# Altium PCB (0)SAT62088M-V1.3 0410.PcbDoc (part 2 of 2)
Units mm, origin at the board's own origin, x right, y up, seen from the top; angles counter-clockwise.
Board outline 68.13 x 50.13 mm, 2 copper layers (Top Layer, Bottom Layer); 136 components, 78 nets, 419 pads, 399 vias.
Unrouted connection lines stored in the file: 95.
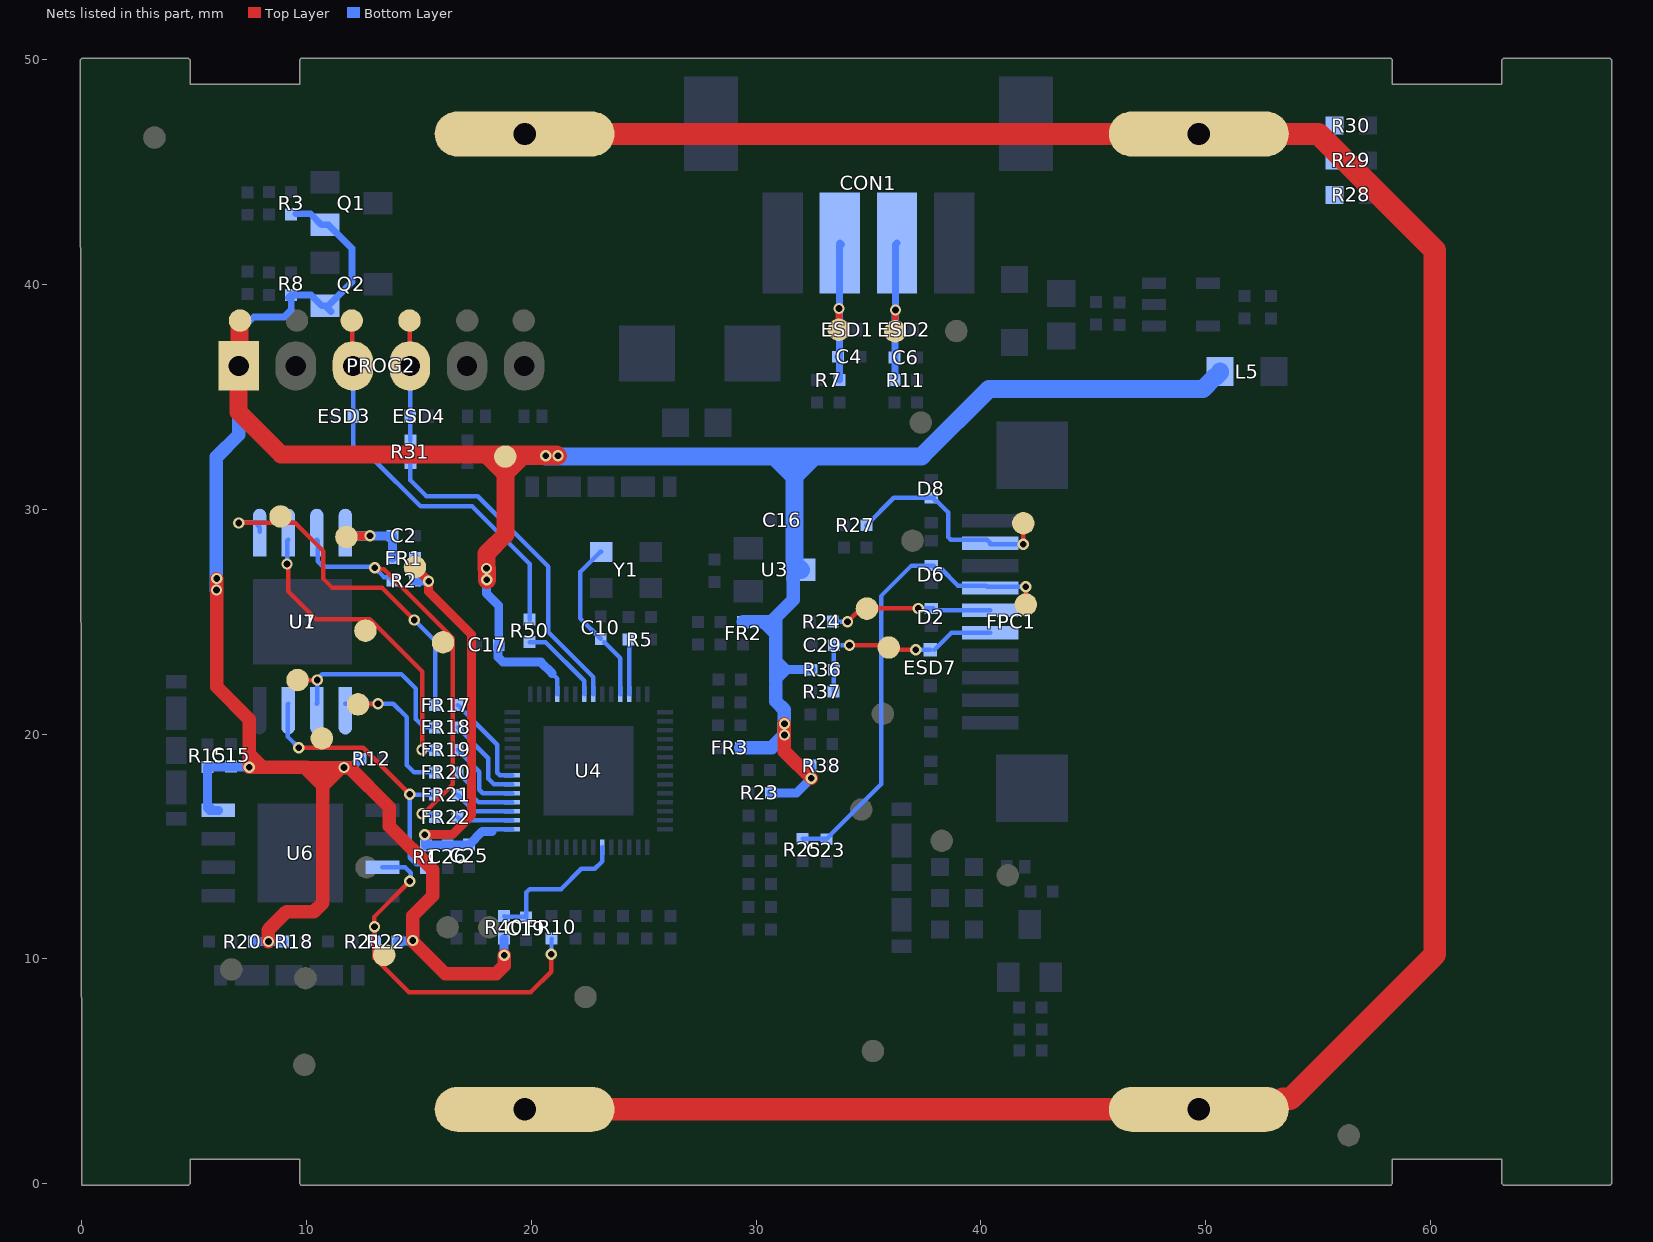
[diagram p2: the nets of this part, all layers, seen from the top]

## Via types
v1: diameter 0.5, hole 0.3, Top Layer to Bottom Layer, tented both sides, 390 vias
v2: diameter 0.6, hole 0.3, Top Layer to Bottom Layer, tented both sides, 9 vias

## Nets (pads, with @x,y where several pads share a name; then routed paths per layer and width w, separated by ;. In a path a pad name is that pad's centre, name@x,y a point inside that pad or via, vN(x,y) a via of type N, cw(c..) or ccw(c..) an arc to the next point about the centre after c; other vN are vias at no path point) (continued)
PM_SPI_WPZ: FR10.1 pad.19 R21.2 R22.1 U6.3 | length 16.8
  Top Layer w0.2: v1(13.02,11.423) 13.02,11.883 v1(14.59,13.453) ; v1@13.03,11.423 13.02,11.413 13.02,10.053 14.55,8.523 19.98,8.523 20.89,9.433 v1(20.89,10.203)
  Bottom Layer w0.2: v1(13.02,11.423) 13.036,11.408 13.036,10.785 R21.2@13.051,10.77 ; U6.3@13.374,14.067 14.392,14.067 14.629,13.83 14.629,13.492 v1(14.59,13.453) ; v1(20.89,10.203) 20.897,10.21 20.897,10.896 FR10.1@20.904,10.903
RESET: C29.1 ESD7.1 FPC1.6 pad.2@35.901,23.853 R36.1 R37.2 | length 9.3
  Top Layer w0.2: v1(34.16,23.953) 35.801,23.953 36.001,23.753 v1(37.1,23.753)
  Bottom Layer w0.2: R37.2@33.45,21.883 33.455,21.888 33.455,23.948 C29.1@33.46,23.953 v1(34.16,23.953) ; v1(37.1,23.753) 37.74,23.753 ESD7.1@37.75,23.743 ; ESD7.1@37.92,23.743 38.677,24.5 FPC1.6@40.415,24.5
RS: D8.1 FPC1.2 pad.2@41.89,29.38 R27.1 | length 9.9
  Top Layer w0.2: v1(41.89,28.45) pad.2@41.89,29.38
  Bottom Layer w0.2: R27.1@34.91,29.293 36.13,30.513 37.9,30.513 37.9,30.463 38,30.363 38.05,30.363 38.54,29.873 38.54,28.767 38.657,28.65 40.265,28.65 FPC1.2@40.415,28.5 ; FPC1.2@40.415,28.45 v1(41.89,28.45)
RTC-VCC: C19.1 R40.2 U4.20 | length 6.7
  Bottom Layer w0.2: R40.2@18.788,11.903 18.821,11.87 19.739,11.87 C19.1@19.772,11.838 19.772,12.955 19.92,13.103 21.32,13.103 22.22,14.003 22.82,14.003 23.151,14.335 U4.20@23.151,14.97
RXD0: ESD4.1 pad.25 PROG2.4 R31.1 | length 5.4
  Top Layer w0.2: pad.25@14.579,38.398 14.59,38.388 14.59,36.39 PROG2.4@14.6,36.38
  Bottom Layer w0.2: PROG2.4@14.6,36.38 14.61,36.37 14.61,33.07 R31.1@14.62,33.06
RXD0-1: R31.2 U4.50 | length 15
  Bottom Layer w0.2: R31.2@14.62,32.06 14.62,31.3 15.333,30.587 17.623,30.587 20.76,27.45 20.76,24.529 22.751,22.538 U4.50@22.751,21.77
S-GND: pad.0 R28.2 R29.2 R30.2 | length 117.3
  Top Layer w1: pad.0@19.685,46.685 pad.0@19.7,46.7 pad.0@49.7,46.7 55.02,46.7 60.2,41.52 60.2,10.2 53.768,3.768 53.438,3.768 52.971,3.3 pad.0@19.7,3.3
SCK: C23.1 D6.1 FPC1.4 pad.2@42,25.763 R25.1 | length 21.1
  Top Layer w0.2: pad.2@42,25.763 v1(42,26.553)
  Bottom Layer w0.2: R25.1@32.07,15.343 33.15,15.343 33.295,15.488 33.295,15.508 35.56,17.773 35.56,26.143 36.917,27.5 37.9,27.5 37.9,27.45 38,27.35 38.234,27.35 38.981,26.603 40.235,26.603 40.285,26.553 v1(42,26.553)
SDA: D2.1 FPC1.5 pad.2@34.93,25.583 R24.1 | length 7.4
  Top Layer w0.2: v1(34.07,25.003) 34.655,25.588 37.205,25.588 v1(37.21,25.593)
  Bottom Layer w0.2: R24.1@33.41,25.003 v1(34.07,25.003) ; v1(37.21,25.593) D2.1@37.89,25.593 ; D2.1@37.8,25.593 37.893,25.5 FPC1.5@40.415,25.5
SPI-CS0: FR20.1 pad.9 U1.1 U7.1 | length 7.4
  Top Layer w0.2: pad.9@12.29,21.323 12.305,21.338 13.165,21.338 v1(13.18,21.353)
  Bottom Layer w0.2: U7.1@11.724,21.349 11.728,21.353 v1(13.18,21.353) 13.86,21.353 14.455,20.758 14.455,18.624 14.78,18.299 FR20.1@15.72,18.299
SPI-MISO: FR18.1 pad.2@9.6,22.403 U1.2 U7.2 | length 9.1
  Top Layer w0.2: pad.2@9.6,22.403 v1(10.47,22.403)
  Bottom Layer w0.2: U7.2@10.454,21.349 10.47,21.365 v1(10.47,22.403) 10.47,22.433 10.7,22.663 14.22,22.663 14.855,22.028 14.855,20.668 15.229,20.294 FR18.1@15.72,20.294
SPI-MOSI: FR17.1 pad.2@8.84,29.683 U1.5 U7.5 | length 15.7
  Top Layer w0.2: v1(6.98,29.393) 9.49,29.393 10.75,28.133 10.75,26.903 11.15,26.503 13.36,26.503 v1(14.79,25.073)
  Bottom Layer w0.2: v1(6.98,29.393) 7.73,29.393 7.915,29.208 U1.5@7.915,29.003 ; v1(14.79,25.073) 15.72,24.143 FR17.1@15.72,21.292
SPI-SCK: FR19.1 pad.2@12.62,24.603 U1.6 U7.6 | length 13.8
  Top Layer w0.2: v1(9.13,27.573) 9.18,27.523 9.18,26.343 10.42,25.103 12.82,25.103 15.14,22.783 v1(15.14,19.303)
  Bottom Layer w0.2: v1(9.13,27.573) 9.13,28.595 U7.6@9.184,28.649 ; v1(15.14,19.303) 15.143,19.3 15.717,19.3 FR19.1@15.72,19.297
SPI-SIO2: FR21.1 pad.29 R1.1 U1.3 U7.3 | length 12.8
  Top Layer w0.2: v1(9.65,19.393) 12.52,19.393 v1(14.59,17.323)
  Bottom Layer w0.2: U7.3@9.184,21.349 9.17,21.335 9.17,19.873 v1(9.65,19.393) ; R1.1@15.31,14.043 15.145,14.208 14.875,14.208 14.59,14.493 v1(14.59,17.323) 14.601,17.312 15.709,17.312 FR21.1@15.72,17.301
SPI-SIO3: FR22.1 pad.7 R2.1 U1.7 U7.7 | length 18.5
  Top Layer w0.2: v1(13.032,27.397) 13.09,27.34 13.442,27.34 16.51,24.272 16.51,17.76 15.203,16.453 v1(15.14,16.453)
  Bottom Layer w0.2: U7.7@10.454,28.649 10.5,28.603 10.5,27.683 10.74,27.443 12.986,27.443 v1(13.032,27.397) ; v1@13.05,27.403 13.05,27.38 13.441,26.988 13.655,26.988 R2.1@13.82,26.823 ; v1(15.14,16.453) 15.197,16.396 15.627,16.396 FR22.1@15.72,16.303
SPI-V: C2.1 FR1.1 pad.30 U1.8 U7.8 | length 4.6
  Top Layer w0.4: pad.30@11.774,28.773 11.805,28.804 12.801,28.804 v1(12.82,28.823)
  Bottom Layer w0.4: U7.8@11.724,28.649 U7.8@11.724,28.723 ; U7.8@11.824,28.963 11.724,28.863 U7.8@11.724,28.723 ; FR1.1@13.82,27.833 13.825,27.838 13.825,28.818 C2.1@13.83,28.823 v1(12.82,28.823) 11.824,28.823 U7.8@11.724,28.723
SPICLK: FR19.2 U4.33 | length 3.7
  Bottom Layer w0.2: FR19.2@16.72,19.297 17.685,18.332 17.685,17.52 17.836,17.37 U4.33@19.151,17.37
SPICS0: FR20.2 U4.32 | length 3.2
  Bottom Layer w0.2: FR20.2@16.72,18.299 17.285,17.734 17.285,17.338 17.653,16.97 U4.32@19.151,16.97
SPID: FR17.2 U4.35 | length 4.5
  Bottom Layer w0.2: FR17.2@16.72,21.292 18.485,19.527 18.485,18.287 18.602,18.17 U4.35@19.151,18.17
SPIHD: FR22.2 U4.30 | length 2.5
  Bottom Layer w0.2: FR22.2@16.72,16.303 16.854,16.17 U4.30@19.151,16.17
SPIQ: FR18.2 U4.34 | length 4
  Bottom Layer w0.2: FR18.2@16.72,20.294 18.085,18.929 18.085,18.022 18.337,17.77 U4.34@19.151,17.77
SPIWP: FR21.2 U4.31 | length 2.7
  Bottom Layer w0.2: FR21.2@16.72,17.301 FR21.2@16.885,17.136 ; FR21.2@16.885,17.135 17.451,16.57 U4.31@19.151,16.57
TXD0: ESD3.1 pad.26@12.009,38.398 PROG2.3 R50.1 | length 18.3
  Top Layer w0.2: pad.26@12.009,38.398 12.035,38.373 12.035,36.405 PROG2.3@12.06,36.38
  Bottom Layer w0.2: PROG2.3@12.06,36.38 12.07,36.37 12.07,34.15 ESD3.1@12.08,34.14 12.08,32.42 12.27,32.23 12.973,32.23 15.073,30.13 17.37,30.13 19.92,27.58 R50.1@19.92,25.093
U0TXD: R50.2 U4.49 | length 3.7
  Bottom Layer w0.2: R50.2@19.92,24.093 20.63,24.093 22.351,22.372 U4.49@22.351,21.77
UR0-RX: C4.1 CON1.2 ESD1.1 pad.18 R7.1 | length 7.2
  Top Layer w0.3: pad.18@33.68,37.99 33.69,38 v1(33.69,38.94)
  Bottom Layer w0.3: C4.1@33.64,36.79 C4.1@33.645,36.785 ; CON1.2@33.7,41.82 CON1.2@33.71,41.83 ; R7.1@33.71,35.75 CON1.2@33.71,41.83 ; CON1.2@33.8,41.78 CON1.2@33.73,41.85 CON1.2@33.71,41.83
UR0-TX: C6.1 CON1.3 ESD2.2 pad.2@36.19,37.92 R11.2 | length 7
  Top Layer w0.3: pad.2@36.19,37.92 36.195,37.925 36.195,38.865 v1(36.2,38.87)
  Bottom Layer w0.3: R11.2@36.16,35.85 36.18,35.87 36.18,38.85 v1(36.2,38.87) 36.2,41.78 CON1.3@36.27,41.85
VDD3.3V: C15.1 C16.1 C17.1 FR2.1 FR3.1 L5.2 pad.27 pad.32 PROG2.1 Q1.1 Q2.1 R3.1 R8.1 R12.1 R15.1 R18.2 R20.2 R22.2 R23.2 R36.2 R38.2 R40.1 U3.3 U4.46 U6.8 | length 170.9
  Top Layer w0.4: v1(7.45,18.523) v1@7.455,18.518 ; v1@11.655,18.518 v1(11.66,18.513)
  Top Layer w0.6: v1(6,26.92) 6,22.103 7.45,20.653 7.45,19.118 ; v1(7.45,18.523) 7.45,19.118 ; v1@7.455,18.518 8.05,18.518 ; v1(8.301,10.77) 8.287,10.784 8.287,11.281 9.11,12.103 10.33,12.103 10.73,12.503 10.73,17.703 ; v1(14.72,10.813) 14.72,11.923 15.61,12.813 15.61,13.973 13.68,15.903 13.68,16.743 11.91,18.513 v1(11.66,18.513) v1@11.54,18.513 ; v1@14.77,10.736 16.173,9.333 18.43,9.333 18.8,9.703 v1(18.8,10.163) ; v1(31.26,20.46) v1(31.26,19.963) 31.26,19.223 v1(32.45,18.033) ; 7.45,19.118 8.05,18.518 ; 8.05,18.518 10,18.518 10,18.433 ; 10,18.433 10.73,17.703 ; 10,18.433 10.08,18.513 10.81,18.513 ; 10.73,17.703 10.73,18.433 10.81,18.513 ; 10.73,17.703 v1@11.54,18.513 ; 10.81,18.513 v1@11.54,18.513
  Top Layer w0.8: pad.27@7.04,38.4 7.01,38.37 7.01,36.41 PROG2.1@6.98,36.38 6.98,34.328 8.858,32.45 17.99,32.45 ; v1(18.01,27.373) 18.01,28.04 18.84,28.87 18.84,31.6 ; v1(18.02,26.863) v1@18.02,27.373 ; 19.755,32.45 19.69,32.45 ; 17.99,32.45 19.69,32.45 ; 17.99,32.45 18.84,31.6 ; 18.84,31.6 pad.32@18.84,32.35 18.87,32.38 19.62,32.38 ; 18.84,31.6 19.62,32.38 ; 19.62,32.38 v1(20.64,32.38) v1(21.19,32.38) 21.12,32.45 19.69,32.45 ; 19.62,32.38 19.69,32.45
  Bottom Layer w0.2: 20.92,22.703 21.151,22.472 U4.46@21.151,21.77
  Bottom Layer w0.3: PROG2.1@6.98,36.38 6.98,37.89 7.65,38.56 9,38.56 9.313,38.873 R8.1@9.313,39.534 ; R8.1@9.198,39.419 R8.1@9.313,39.534 ; R3.1@9.535,43.15 10.183,43.15 10.673,42.66 Q1.1@10.823,42.66 10.973,42.66 12.02,41.613 12.02,40.111 10.973,39.064 Q2.1@10.823,39.064 ; Q2.1@11.086,38.8 Q2.1@10.823,39.064 ; R8.1@9.313,39.534 10.203,39.534 10.673,39.064 Q2.1@10.823,39.064
  Bottom Layer w0.4: U6.8@5.72,16.707 U6.8@5.82,16.607 ; U6.8@6.074,16.607 U6.8@5.82,16.607 ; v1(7.45,18.523) 7.44,18.533 5.61,18.533 R15.1@5.6,18.543 5.6,16.707 5.7,16.607 U6.8@5.82,16.607 ; R20.2@7.651,10.77 v1(8.301,10.77) R18.2@8.951,10.77 ; v1(11.66,18.513) 11.679,18.532 12.019,18.532 R12.1@12.39,18.903 ; R22.2@14.051,10.77 14.076,10.794 14.701,10.794 v1(14.72,10.813) ; v1(18.01,27.373) 18.01,26.253 18.55,25.713 C17.1@18.55,24.013 ; v1@18.02,26.836 v1(18.02,26.863) ; C17.1@18.615,23.908 C17.1@18.55,23.973 C17.1@18.55,24.013 ; R40.1@18.788,10.903 18.794,10.897 18.794,10.169 v1(18.8,10.163) ; 20.92,22.703 20.42,23.203 18.744,23.203 18.51,23.438 18.51,23.973 C17.1@18.55,24.013 ; R23.2@30.654,17.389 31.805,17.389 v1@32.431,18.014 ; 30.87,22.168 30.87,22.343 31.39,22.863 ; 30.87,23.383 31.39,22.863 ; 30.88,22.863 31.39,22.863 ; R38.2@32.424,18.595 32.437,18.582 32.437,18.046 v1(32.45,18.033) ; R36.2@32.47,22.863 31.39,22.863
  Bottom Layer w0.6: v1(5.99,26.41) 5.99,32.33 6.98,33.32 PROG2.1@6.98,36.38 ; FR3.1@29.32,19.39 30.687,19.39 v1(31.26,19.963) v1(31.26,20.46) 31.26,21.073 30.87,21.463 30.87,22.168 ; FR2.1@29.42,24.993 30.34,24.993 ; 30.87,22.343 30.87,22.873 ; 30.88,22.863 30.87,22.873 ; U3.3@31.851,27.31 31.651,27.11 31.651,25.977 30.87,25.195 ; 30.34,24.993 30.87,24.463 ; 30.34,24.993 30.668,24.993 30.87,25.195 ; 30.87,22.873 30.87,23.383 30.87,24.463 ; 30.87,24.463 30.87,25.195
  Bottom Layer w0.8: v1@20.64,32.36 21.19,32.36 30.8,32.36 ; 31.7,32.28 31.7,31.46 ; U3.3@31.91,27.401 U3.3@32.001,27.31 31.851,27.31 31.751,27.41 31.751,27.56 31.7,27.611 31.7,31.46 ; 37.36,32.36 32.6,32.36 ; 37.417,32.417 40.36,35.36 49.88,35.36 50.4,35.88 50.45,35.88 50.65,36.08 L5.2@50.65,36.13 ; 30.8,32.36 31.7,31.46 ; 30.8,32.36 32.6,32.36 ; 31.7,31.46 32.6,32.36
VDD-SPI: C25.1 C26.1 FR1.2 pad.15 R1.2 R2.2 U4.29 | length 20.7
  Top Layer w0.4: pad.15@14.82,27.433 14.82,27.413 v1(15.43,26.803) 15.43,26.337 17.34,24.427 17.34,16.39 16.474,15.523 v1(15.262,15.523)
  Bottom Layer w0.2: 18.316,15.77 U4.29@19.151,15.77
  Bottom Layer w0.4: FR1.2@14.82,27.833 R2.2@14.82,26.823 14.83,26.813 15.42,26.813 v1(15.43,26.803) ; v1(15.262,15.523) 15.262,15.496 15.281,15.477 15.281,15.072 R1.2@15.31,15.043 15.33,15.063 16.28,15.063 17.21,15.063 C25.1@17.23,15.083 17.816,15.67 18.259,15.67
XTALN: C10.1 U4.53 Y1.1 | length 7.3
  Bottom Layer w0.2: C10.1@23.089,24.237 22.18,25.145 22.18,27.213 23.07,28.103 Y1.1@23.12,28.103 ; C10.1@23.243,24.09 23.243,24.083 23.254,24.072 23.261,24.072 23.951,23.382 U4.53@23.951,21.77
XTALP: R5.1 U4.54 | length 2.2
  Bottom Layer w0.2: U4.54@24.351,21.77 24.351,23.934
pads on no net: Mark3. Mark6. MARK14. MARK14_1. U4.6 U4.13 U4.21 U4.22 U4.23 U4.26 U4.27 U4.28 U4.36 U4.37 U4.38 U4.39 U4.40 U4.41 U4.42 U4.43 U4.44 U4.45 U4.47 U4.48 U4.51 U4.52 U5.4

## Polygon pours and split planes (outlines as drawn)
GND on Bottom Layer "GND_L02_P000" (solid, remove dead copper, pour order 0): 0,-0.064 4.75,-0.064 4.814,0 4.814,1.086 9.686,1.086 9.686,0 9.75,-0.064 58.25,-0.064 58.314,0 58.314,1.086 63.186,1.086 63.186,0 63.25,-0.064 68,-0.064 68.064,0 68.064,13.1 68,13.164 63.5,13.164 63.5,41.196 68,41.196 68.064,41.26 68.064,50 68,50.064 63.25,50.064 63.186,50 63.186,48.914 58.314,48.914 58.314,50 58.25,50.064 9.75,50.064 9.686,50 9.686,48.914 4.814,48.914 4.814,50 4.75,50.064 0,50.064 -0.064,50
GND on Top Layer "GND_L01_P001" (solid, remove dead copper, pour order 1): 0,-0.064 4.75,-0.064 4.814,0 4.814,1.086 9.686,1.086 9.686,0 9.75,-0.064 58.25,-0.064 58.314,0 58.314,1.086 63.186,1.086 63.186,0 63.25,-0.064 68,-0.064 68.064,0 68.064,13.1 68,13.164 63.59,13.164 63.59,41.196 68,41.196 68.064,41.26 68.064,50 68,50.064 63.25,50.064 63.186,50 63.186,48.914 58.314,48.914 58.314,50 58.25,50.064 9.75,50.064 9.686,50 9.686,48.914 4.814,48.914 4.814,50 4.75,50.064 0,50.064 -0.064,50

## Keep-outs
Keep-Out Layer:
  circle w0.1: c-2.69,176.17 r1
  circle w0.1: c-2.7,10.53 r1
  circle w0.1: c138.49,176.14 r1
  circle w0.1: c138.5,10.5 r1
  circle w0.127: c4.25,193 r0.6
  circle w0.127: c2.05,175 r1
  circle w0.127: c4.25,157 r0.6
  circle w0.127: c65.15,157 r0.6
  circle w0.127: c66,152 r1
  circle w0.127: c66,198 r1
  circle w0.127: c65.15,193 r0.6
  circle w0.127: c65.15,157 r0.6
  circle w0.127: c65.15,193 r0.6
  circle w0.127: c4.25,193 r0.6
  circle w0.127: c4.25,157 r0.6
  circle w0.127: c72.25,157 r0.6
  circle w0.127: c72.25,193 r0.6
  circle w0.127: c133.15,193 r0.6
  circle w0.127: c133.15,157 r0.6
  circle w0.127: c133.15,193 r0.6
  circle w0.127: c134,198 r1
  circle w0.127: c134,152 r1
  circle w0.127: c133.15,157 r0.6
  circle w0.127: c72.25,157 r0.6
  circle w0.127: c70.05,175 r1
  circle w0.127: c72.25,193 r0.6
  circle w0.127: c72.25,7 r0.6
  circle w0.127: c72.25,43 r0.6
  circle w0.127: c133.15,43 r0.6
  circle w0.127: c133.15,7 r0.6
  circle w0.127: c133.15,43 r0.6
  circle w0.127: c134,48 r1
  circle w0.127: c134,2 r1
  circle w0.127: c133.15,7 r0.6
  circle w0.127: c72.25,7 r0.6
  circle w0.127: c70.05,25 r1
  circle w0.127: c72.25,43 r0.6
  circle w0.127: c72.25,93 r0.6
  circle w0.127: c70.05,75 r1
  circle w0.127: c72.25,57 r0.6
  circle w0.127: c133.15,57 r0.6
  circle w0.127: c134,52 r1
  circle w0.127: c134,98 r1
  circle w0.127: c133.15,93 r0.6
  circle w0.127: c133.15,57 r0.6
  circle w0.127: c133.15,93 r0.6
  circle w0.127: c72.25,93 r0.6
  circle w0.127: c72.25,57 r0.6
  circle w0.127: c72.25,143 r0.6
  circle w0.127: c70.05,125 r1
  circle w0.127: c72.25,107 r0.6
  circle w0.127: c133.15,107 r0.6
  circle w0.127: c134,102 r1
  circle w0.127: c134,148 r1
  circle w0.127: c133.15,143 r0.6
  circle w0.127: c133.15,107 r0.6
  circle w0.127: c133.15,143 r0.6
  circle w0.127: c72.25,143 r0.6
  circle w0.127: c72.25,107 r0.6
  circle w0.127: c4.25,107 r0.6
  circle w0.127: c4.25,143 r0.6
  circle w0.127: c65.15,143 r0.6
  circle w0.127: c65.15,107 r0.6
  circle w0.127: c65.15,143 r0.6
  circle w0.127: c66,148 r1
  circle w0.127: c66,102 r1
  circle w0.127: c65.15,107 r0.6
  circle w0.127: c4.25,107 r0.6
  circle w0.127: c2.05,125 r1
  circle w0.127: c4.25,143 r0.6
  circle w0.127: c4.25,57 r0.6
  circle w0.127: c4.25,93 r0.6
  circle w0.127: c65.15,93 r0.6
  circle w0.127: c65.15,57 r0.6
  circle w0.127: c65.15,93 r0.6
  circle w0.127: c66,98 r1
  circle w0.127: c66,52 r1
  circle w0.127: c65.15,57 r0.6
  circle w0.127: c4.25,57 r0.6
  circle w0.127: c2.05,75 r1
  circle w0.127: c4.25,93 r0.6
  circle w0.127: c4.25,43 r0.6
  circle w0.127: c2.05,25 r1
  circle w0.127: c65.15,7 r0.6
  circle w0.127: c66,2 r1
  circle w0.127: c66,48 r1
  circle w0.127: c65.15,43 r0.6
  circle w0.127: c65.15,7 r0.6
  circle w0.127: c65.15,43 r0.6
  circle w0.127: c4.25,43 r0.6
  circle w0.127: c3.57,7.103 r0.6
  circle w0.127: c3.57,7.103 r0.6
  pour cut-out: 64.25,48 ccw(c66,48) 66,46.25 ccw(c66,48) 67.75,48 ccw(c66,48) 66,49.75 ccw(c66,48)
  pour cut-out: 64.25,2 cw(c66,2) 66,3.75 cw(c66,2) 67.75,2 cw(c66,2) 66,0.25 cw(c66,2)
  pour cut-out: 0.3,25 ccw(c2.05,25) 2.05,23.25 ccw(c2.05,25) 3.8,25 ccw(c2.05,25) 2.05,26.75 ccw(c2.05,25)
  lines w0.127: -0.2,0.03 -5.2,0.03 -5.2,200.03 -0.2,200.03 ; 68,9.746 68,0 ; 68,59.746 68,50 ; 68,63.1 68,50 ; 68,91.26 68,100 ; 68,109.746 68,100 ; 68,113.1 68,100 ; 68,141.26 68,150 ; 68,159.746 68,150 ; 68,163.1 68,150 ; 68,191.26 68,200 ; 136,9.746 136,0 ; 136,13.1 136,0 ; 136,41.26 136,50 ; 136,59.746 136,50 ; 136,63.1 136,50 ; 136,91.26 136,100 ; 136,109.746 136,100 ; 136,113.1 136,100 ; 136,141.26 136,150 ; 136,159.746 136,150 ; 136,163.1 136,150 ; 136,191.26 136,200 ; 0,50 0,100 ; 0,50 4.75,50 ; 0,50 0,0 4.75,0 4.75,1.15 9.75,1.15 9.75,0 58.25,0 58.25,1.15 63.25,1.15 63.25,0 68,0 ; 0,50 4.75,50 ; 0,100 0,150 ; 0,100 4.75,100 ; 0,100 4.75,100 ; 0,150 4.75,150 ; 0,150 4.75,150 ; 0,150 0,200 4.75,200 4.75,198.85 9.75,198.85 9.75,200 58.25,200 58.25,198.85 63.25,198.85 63.25,200 68,200 ; 0,150 4.75,150 ; 4.75,50 4.75,51.15 9.75,51.15 9.75,50 ; 4.75,50 4.75,48.85 9.75,48.85 9.75,50 ; 4.75,100 4.75,101.15 9.75,101.15 9.75,100 ; 4.75,100 4.75,98.85 9.75,98.85 9.75,100 ; 4.75,150 4.75,151.15 9.75,151.15 9.75,150 ; 4.75,150 4.75,148.85 9.75,148.85 9.75,150 ; 9.75,50 58.25,50 ; 9.75,50 58.25,50 ; 9.75,100 58.25,100 ; 9.75,100 58.25,100 ; 9.75,150 58.25,150 ; 9.75,150 58.25,150 ; 9.75,150 58.25,150 ; 58.25,50 58.25,51.15 63.25,51.15 63.25,50 ; 58.25,50 58.25,48.85 63.25,48.85 63.25,50 ; 58.25,100 58.25,101.15 63.25,101.15 63.25,100 ; 58.25,100 58.25,98.85 63.25,98.85 63.25,100 ; 58.25,150 58.25,151.15 63.25,151.15 63.25,150 ; 58.25,150 58.25,148.85 63.25,148.85 63.25,150 ; 63.25,50 68,50 ; 63.25,50 68,50 ; 63.25,100 68,100 ; 63.25,100 68,100 ; 63.25,150 68,150 ; 63.25,150 68,150 ; 63.25,150 68,150 ; 68,0 68,50 ; 68,0 72.75,0 72.75,1.15 77.75,1.15 77.75,0 126.25,0 126.25,1.15 131.25,1.15 131.25,0 136,0 ; 68,0 68,13.1 68,41.26 68,50 ; 68,50 72.75,50 ; 68,50 72.75,50 ; 68,50 68,100 ; 68,100 72.75,100 ; 68,100 72.75,100 ; 68,100 68,150 ; 68,150 68,200 ; 68,150 72.75,150 ; 68,150 72.75,150 ; 68,150 72.75,150 ; 68,200 72.75,200 72.75,198.85 77.75,198.85 77.75,200 126.25,200 126.25,198.85 131.25,198.85 131.25,200 136,200 ; 72.75,50 72.75,48.85 77.75,48.85 77.75,50 ; 72.75,50 72.75,51.15 77.75,51.15 77.75,50 ; 72.75,100 72.75,98.85 77.75,98.85 77.75,100 ; 72.75,100 72.75,101.15 77.75,101.15 77.75,100 ; 72.75,150 72.75,151.15 77.75,151.15 77.75,150 ; 72.75,150 72.75,148.85 77.75,148.85 77.75,150 ; 77.75,50 126.25,50 ; 77.75,50 126.25,50 ; 77.75,100 126.25,100 ; 77.75,100 126.25,100 ; 77.75,150 126.25,150 ; 77.75,150 126.25,150 ; 77.75,150 126.25,150 ; 126.25,50 126.25,48.85 131.25,48.85 131.25,50 ; 126.25,50 126.25,51.15 131.25,51.15 131.25,50 ; 126.25,100 126.25,98.85 131.25,98.85 131.25,100 ; 126.25,100 126.25,101.15 131.25,101.15 131.25,100 ; 126.25,150 126.25,151.15 131.25,151.15 131.25,150 ; 126.25,150 126.25,148.85 131.25,148.85 131.25,150 ; 131.25,50 136,50 ; 131.25,50 136,50 ; 131.25,100 136,100 ; 131.25,100 136,100 ; 131.25,150 136,150 ; 131.25,150 136,150 ; 131.25,150 136,150 ; 136,0 136,200 ; 136,0 141,0 141,200 136,200 ; 63.5,13.1 63.5,41.26 66,41.26 66,13.1 63.5,13.1 ; 63.5,63.1 66,63.1 66,91.26 63.5,91.26 63.5,63.1 ; 63.5,113.1 66,113.1 66,141.26 63.5,141.26 63.5,113.1 ; 63.5,163.1 66,163.1 66,191.26 63.5,191.26 63.5,163.1 ; 131.5,13.1 134,13.1 134,41.26 131.5,41.26 131.5,13.1 ; 131.5,63.1 134,63.1 134,91.26 131.5,91.26 131.5,63.1 ; 131.5,113.1 134,113.1 134,141.26 131.5,141.26 131.5,113.1 ; 131.5,163.1 134,163.1 134,191.26 131.5,191.26 131.5,163.1

## Other copper
Top Layer:
  pour cut-out: 7.88,37.86 7.88,35.06 18.924,35.06 19.064,35.2 19.064,37.536 18.72,37.88
Bottom Layer:
  region net S-GND: 23.861,6.684 15.481,6.684 15.481,2.126 23.861,2.126
  region net S-GND: 53.861,6.684 45.481,6.684 45.481,2.126 53.861,2.126
  rectangle net S-GND: 45.5,43.316 56.18,47.874
  rectangle net S-GND: 15.539,43.316 23.919,47.874
  pour cut-out: 35.27,44.3 35.27,39.4 32.39,39.4 32.29,39.3 32.29,44.4
  pour cut-out: 42.551,35.177 40.943,36.785 40.943,39.552 42.191,39.552 42.237,39.598
  pour cut-out: 7.96,37.72 7.96,34.92 19.004,34.92 19.144,35.06 19.144,37.396 18.8,37.74
  pour cut-out: 45.5,48.383 45.5,49.63 46.91,49.63 46.92,49.64 46.92,48.39 46.91,48.38
  pour cut-out: 52.115,35.155 51.515,35.155 51.515,37.055 52.075,37.055 52.085,37.065
  pour cut-out: 52.08,38.96 50.34,38.96 50.34,38.65 50.47,38.52 51.6,38.52
  region net +5V: 28.24,33.22 29.94,33.22 30.07,33.35 30.07,34.33 29.9,34.5 29.06,34.5 28.796,34.764 28.31,34.764
  region net +5V: 30.26,43.91 30.26,40.03 27.7,37.47 27.7,33.22 27.71,33.21 29.93,33.21 30.4,33.68 30.4,34 29.9,34.5 29.06,34.5 29.06,35.03 29.71,35.68 31.08,35.68 31.08,36.99 32.09,38 32.09,44.12 32.07,44.14 30.31,44.14 30.27,44.1
  region net +5V-IN: 41.58,36.82 44.21,36.82 45.29,37.9 48.25,37.9 48.27,37.92 48.27,38.37 48.09,38.55 41.51,38.55 41.05,38.09
  region net +5V-IN: 41.05,38.09 41.05,36.87 41.1,36.82 42.06,36.82
  region net 3V3: 49.57,37.87 49.62,37.82 51.56,37.82 51.93,38.19 52.51,38.19 52.6,38.1 52.6,35.88 52.68,35.8 53.41,35.8 53.42,35.79 53.42,38.55 53.19,38.78 49.92,38.78 49.57,38.43
  pour cut-out: 22.63,39.65 22.63,49.5 24.04,49.5 24.05,49.51 24.05,41.07
  region net +5V: 29.45,34.27 28.956,34.764 28.796,34.764 28.796,34.276 28.79,34.27
  region net VDD-SPI: 17.46,14.783 18.15,15.473 18.438,15.473 18.734,15.77 18.73,15.774 18.73,15.863 17.7,15.863 17.14,15.303 15.04,15.303 15.04,14.793 15.05,14.783
  pour cut-out: 42.425,20.16 39.52,20.16 39.52,29.147 42.435,29.147

## Silkscreen, mask and mechanical layers (free items; w line width, h text height)
Top Overlay:
  circle w0.127: c66,48 r1.75
  circle w0.127: c2.05,25 r1.75
  circle w0.127: c66,2 r1.75
  lines w0.254: 5.07,3.84 5.07,46.16 64.93,46.16 64.93,3.84 5.07,3.84
  text "3.3V" at 7.728,39.719 h1 r90
  text "GND" at 10.163,39.719 h1 r90
  text "TXD" at 12.598,39.719 h1 r90
  text "RXD" at 15.033,39.719 h1 r90
  text "IO0" at 17.468,39.719 h1 r90
  text "RST" at 19.903,39.719 h1 r90
  text "TXD" at 34.89,39.21 h1
  text "GND" at 37.6,35.9 h1
  text "RXD" at 31.96,35.61 h1
  text "+5V" at 38.2,33.71 h1
  text "RS" at 40.91,30.573 h1
  text "+3.3V" at 22.62,30.443 h1
  text "CS" at 36.281,29.523 h1
  text "SDA" at 32.457,26.433 h1
  text "SCK" at 40.705,23.574 h1
  text "RESET" at 30.87,23.383 h1
  text "LVDD" at 31.26,20.212 h1
  text "2.4TFT" at 3,13.1 h1.5 r90
  text "LEDA" at 38.94,10.713 h1 r90
  text "LEDK" at 41.6,9.103 h1 r90
  text "PWM" at 33.32,6.63 h1
Bottom Overlay:
  drawing of 326 lines, arcs and shapes, not listed
  text "MARK" at 8.6,47.11 h1
  text "RX" at 24.61,39.1 h1 r270
  text "TX" at 25.83,38.95 h1 r270
  text "GND" at 27.24,38.84 h1 r270
  text "+5V" at 23.14,38.73 h1 r270
  text "3.3V" at 14.35,38.68 h1 r270
  text "GND" at 15.59,38.68 h1 r270
  text "TXD" at 16.83,38.68 h1 r270
  text "RXD" at 18.07,38.68 h1 r270
  text "IO0" at 19.31,38.68 h1 r270
  text "RST" at 20.55,38.68 h1 r270
  text "1" at 47.08,31.44 h0.7 r90
  text "10" at 47.42,18.78 h0.7 r90
  text "SAT62088M" at 62.172,12.719 h0.89
  text "T=1.6mm" at 55.13,11.56 h0.89
  text "VER:V1.3" at 62.299,11.557 h0.89
  text "94V-0" at 62.156,10.285 h0.89
  text "RoHS" at 55.12,10.27 h0.89
  text "sanboen.com" at 62.323,9.194 h0.89
  text "MARK" at 61.9,2.25 h1
Top Solder:
  rectangle: 48.76,20.65 58.76,30.65
  rectangle: 49.11,9.9 57.11,17.9
  rectangle: 19.59,15.363 25.59,21.363
Bottom Solder:
  rectangle: 15.539,43.316 23.919,47.874
  rectangle: 45.539,43.316 53.919,47.874
  region: 53.861,6.684 45.481,6.684 45.481,2.126 53.861,2.126
  region: 23.861,6.684 15.481,6.684 15.481,2.126 23.861,2.126
Drill Drawing:
  circle w0.254: c160.226,11.542 r0.847
  lines w0.254: 159.379,14.505 160.226,14.928 161.073,14.505 160.649,15.352 161.073,16.198 160.226,15.775 159.379,16.198 159.803,15.352 159.379,14.505 ; 159.379,20.008 161.073,20.008 160.226,18.315 159.379,20.008
  lines w0.381: 157.86,9.552 444.394,9.552 ; 157.86,20.982 444.394,20.982 ; 171.853,5.742 171.853,24.792 ; 187.089,5.742 187.089,24.792 ; 215.021,5.742 215.021,24.792 ; 227.87,5.742 227.87,24.792 ; 246.508,5.742 246.508,24.792 ; 284.597,5.742 284.597,24.792 ; 299.579,5.742 299.579,24.792 ; 318.522,5.742 318.522,24.792 ; 353.818,5.742 353.818,24.792 ; 375.503,5.742 375.503,24.792 ; 409.377,5.742 409.377,24.792 ; 157.86,5.742 444.394,5.742 444.394,24.792 157.86,24.792 157.86,5.742
  text "Symbol" at 160.146,22.125 h1.83
  text "Count" at 172.996,22.125 h1.83
  text "Hole Size" at 188.232,22.125 h1.83
  text "Plated" at 216.164,22.125 h1.83
  text "Hole Type" at 229.013,22.125 h1.83
  text "Drill Layer Pair" at 247.651,22.125 h1.83
  text "Via/Pad" at 285.74,22.125 h1.83
  text "Pad Shape" at 300.722,22.125 h1.83
  text "Template" at 319.665,22.125 h1.83
  text "Description" at 354.961,22.125 h1.83
  text "Hole Tolerance (+)" at 376.646,22.125 h1.83
  text "Hole Tolerance (-)" at 410.52,22.125 h1.83
  text "4" at 172.996,18.315 h1.52
  text "1.000mm (39.37mil)" at 188.232,18.315 h1.52
  text "PTH" at 216.164,18.315 h1.52
  text "Slot" at 229.013,18.315 h1.52
  text "Top Layer - Bottom Layer" at 247.651,18.315 h1.52
  text "Pad" at 285.74,18.315 h1.52
  text "Rounded" at 300.722,18.315 h1.52
  text "r800_200h100_600r100m0" at 319.665,18.315 h1.52
  text "6" at 172.996,14.505 h1.52
  text "0.900mm (35.43mil)" at 188.232,14.505 h1.52
  text "PTH" at 216.164,14.505 h1.52
  text "Round" at 229.013,14.505 h1.52
  text "Top Layer - Bottom Layer" at 247.651,14.505 h1.52
  text "Pad" at 285.74,14.505 h1.52
  text "(Mixed)" at 300.722,14.505 h1.52
  text "(Mixed)" at 319.665,14.505 h1.52
  text "398" at 172.996,10.695 h1.52
  text "0.300mm (11.81mil)" at 188.232,10.695 h1.52
  text "PTH" at 216.164,10.695 h1.52
  text "Round" at 229.013,10.695 h1.52
  text "Top Layer - Bottom Layer" at 247.651,10.695 h1.52
  text "Via" at 285.74,10.695 h1.52
  text "Rounded" at 300.722,10.695 h1.52
  text "(Mixed)" at 319.665,10.695 h1.52
  text "408 Total" at 172.996,6.885 h1.52
  text "Slot definitions :" at 160.146,3.203 h1.52
  text "Routed Path Length" at 186.377,3.203 h1.52
  text "= Calculated from tool start centre position to tool end centre position." at 214.385,3.203 h1.52
  text "Hole Length" at 186.377,0.663 h1.52
  text "= Routed Path Length + Tool Size = Slot length as defined in the PCB layout" at 203.974,0.663 h1.52
顶层板框:
  circle w0.127: c2.05,25 r1
  circle w0.127: c4.25,43 r0.6
  circle w0.127: c66,48 r1
  circle w0.127: c65.15,7 r0.6
  circle w0.127: c66,2 r1
  circle w0.127: c65.15,43 r0.6
  circle w0.127: c4.25,43 r0.6
  circle w0.127: c2.05,25 r1
  circle w0.127: c66,2 r1
  circle w0.127: c65.15,7 r0.6
  circle w0.127: c65.15,43 r0.6
  circle w0.127: c66,48 r1
  circle w0.127: c3.57,7.103 r0.6
  circle w0.127: c3.57,7.103 r0.6
  lines w0.127: 64.93,13.1 68,13.1 ; 64.93,41.26 68,41.26 ; 0,0 0,50 ; 0,0 4.75,0 ; 0,0 0,50 ; 0,0 4.75,0 ; 0,50 4.75,50 ; 0,50 4.75,50 ; 4.75,0 4.75,1.15 ; 4.75,0 4.75,1.15 ; 4.75,1.15 9,1.15 ; 4.75,1.15 9,1.15 ; 4.75,48.85 4.75,50 ; 4.75,48.85 9,48.85 ; 4.75,48.85 9,48.85 ; 4.75,48.85 4.75,50 ; 5.07,3.84 5.07,46.16 ; 5.07,3.84 64.93,3.84 ; 5.07,3.84 64.93,3.84 ; 5.07,3.84 5.07,46.16 ; 5.07,46.16 64.93,46.16 ; 5.07,46.16 64.93,46.16 ; 9,1.15 9.75,1.15 ; 9,1.15 9.75,1.15 ; 9,48.85 9.75,48.85 ; 9,48.85 9.75,48.85 ; 9.75,0 9.75,1.15 ; 9.75,0 58.25,0 ; 9.75,0 9.75,1.15 ; 9.75,0 58.25,0 ; 9.75,48.85 9.75,50 ; 9.75,48.85 9.75,50 ; 9.75,50 58.25,50 ; 9.75,50 58.25,50 ; 17,2.95 17,3.65 ; 17,2.95 22.4,2.95 ; 17,2.95 17,3.65 ; 17,2.95 22.4,2.95 ; 17,3.65 22.4,3.65 ; 17,3.65 22.4,3.65 ; 17,46.35 22.4,46.35 ; 17,46.35 17,47.05 ; 17,46.35 22.4,46.35 ; 17,46.35 17,47.05 ; 17,47.05 22.4,47.05 ; 17,47.05 22.4,47.05 ; 22.4,2.95 22.4,3.65 ; 22.4,2.95 22.4,3.65 ; 22.4,46.35 22.4,47.05 ; 22.4,46.35 22.4,47.05 ; 47,2.95 47,3.65 ; 47,2.95 52.4,2.95 ; 47,2.95 47,3.65 ; 47,2.95 52.4,2.95 ; 47,3.65 52.4,3.65 ; 47,3.65 52.4,3.65 ; 47,46.35 52.4,46.35 ; 47,46.35 47,47.05 ; 47,46.35 52.4,46.35 ; 47,46.35 47,47.05 ; 47,47.05 52.4,47.05 ; 47,47.05 52.4,47.05 ; 52.4,2.95 52.4,3.65 ; 52.4,2.95 52.4,3.65 ; 52.4,46.35 52.4,47.05 ; 52.4,46.35 52.4,47.05 ; 58.25,0 58.25,1.15 ; 58.25,0 58.25,1.15 ; 58.25,1.15 62.5,1.15 ; 58.25,1.15 62.5,1.15 ; 58.25,48.85 62.5,48.85 ; 58.25,48.85 58.25,50 ; 58.25,48.85 58.25,50 ; 58.25,48.85 62.5,48.85 ; 62.5,1.15 63.25,1.15 ; 62.5,1.15 63.25,1.15 ; 62.5,48.85 63.25,48.85 ; 62.5,48.85 63.25,48.85 ; 63.25,0 63.25,1.15 ; 63.25,0 68,0 ; 63.25,0 63.25,1.15 ; 63.25,0 68,0 ; 63.25,48.85 63.25,50 ; 63.25,48.85 63.25,50 ; 63.25,50 68,50 ; 63.25,50 68,50 ; 64.93,3.84 64.93,46.16 ; 64.93,3.84 64.93,46.16 ; 68,0 68,13.1 ; 68,0 68,13.1 ; 68,41.26 68,50 ; 68,41.26 68,50
底层板框:
  circle w0.127: c65.15,7 r0.6
  circle w0.127: c66,2 r1.75
  circle w0.127: c4.25,43 r0.6
  circle w0.127: c2.05,25 r1.75
  circle w0.127: c2.05,25 r1
  circle w0.127: c65.15,43 r0.6
  circle w0.127: c66,48 r1.75
  circle w0.127: c66,48 r1
  circle w0.127: c66,2 r1
  circle w0.127: c2.05,25 r1
  circle w0.127: c2.05,25 r1.75
  circle w0.127: c4.25,43 r0.6
  circle w0.127: c66,2 r1.75
  circle w0.127: c66,2 r1
  circle w0.127: c65.15,7 r0.6
  circle w0.127: c66,48 r1
  circle w0.127: c66,48 r1.75
  circle w0.127: c65.15,43 r0.6
  circle w0.127: c3.57,7.103 r0.6
  circle w0.127: c3.57,7.103 r0.6
  lines w0.127: 39.05,17.603 45.05,17.603 ; 63,15.1 64.5,15.1 ; 63,39.26 64.5,39.26 ; 0,0 4.75,0 ; 0,0 0,50 ; 0,0 0,50 ; 0,0 4.75,0 ; 0,50 4.75,50 ; 0,50 4.75,50 ; 4.75,0 4.75,1.15 ; 4.75,0 4.75,1.15 ; 4.75,1.15 9.75,1.15 ; 4.75,1.15 9.75,1.15 ; 4.75,48.85 4.75,50 ; 4.75,48.85 9.75,48.85 ; 4.75,48.85 4.75,50 ; 4.75,48.85 9.75,48.85 ; 9.75,0 9.75,1.15 ; 9.75,0 58.25,0 ; 9.75,0 58.25,0 ; 9.75,0 9.75,1.15 ; 9.75,48.85 9.75,50 ; 9.75,48.85 9.75,50 ; 9.75,50 58.25,50 ; 9.75,50 58.25,50 ; 15.7,2.45 23.7,2.45 ; 15.7,2.45 15.7,6.45 ; 15.7,2.45 23.7,2.45 ; 15.7,2.45 15.7,6.45 ; 15.7,6.45 23.7,6.45 ; 15.7,6.45 23.7,6.45 ; 15.7,43.55 15.7,47.55 ; 15.7,43.55 23.7,43.55 ; 15.7,43.55 23.7,43.55 ; 15.7,43.55 15.7,47.55 ; 15.7,47.55 23.7,47.55 ; 15.7,47.55 23.7,47.55 ; 17,2.95 22.4,2.95 ; 17,2.95 17,3.65 ; 17,2.95 22.4,2.95 ; 17,2.95 17,3.65 ; 17,3.65 22.4,3.65 ; 17,3.65 22.4,3.65 ; 17,46.35 17,47.05 ; 17,46.35 22.4,46.35 ; 17,46.35 22.4,46.35 ; 17,46.35 17,47.05 ; 17,47.05 22.4,47.05 ; 17,47.05 22.4,47.05 ; 22.4,2.95 22.4,3.65 ; 22.4,2.95 22.4,3.65 ; 22.4,46.35 22.4,47.05 ; 22.4,46.35 22.4,47.05 ; 23.7,2.45 23.7,6.45 ; 23.7,2.45 23.7,6.45 ; 23.7,43.55 23.7,47.55 ; 23.7,43.55 23.7,47.55 ; 27.5,43 27.5,50 27.5,43 ; 27.5,43 42.5,43 ; 27.5,43 42.5,43 ; 39.73,32.5 45.73,32.5 ; 39.73,32.5 39.73,17.5 45.73,32.5 ; 39.73,32.5 45.73,17.5 45.73,32.5 ; 42.5,43 42.5,50 42.5,43 ; 45.7,2.45 53.7,2.45 ; 45.7,2.45 45.7,6.45 ; 45.7,2.45 53.7,2.45 ; 45.7,2.45 45.7,6.45 ; 45.7,6.45 53.7,6.45 ; 45.7,6.45 53.7,6.45 ; 45.7,43.55 45.7,47.55 ; 45.7,43.55 53.7,43.55 ; 45.7,43.55 53.7,43.55 ; 45.7,43.55 45.7,47.55 ; 45.7,47.55 53.7,47.55 ; 45.7,47.55 53.7,47.55 ; 47,2.95 52.4,2.95 ; 47,2.95 47,3.65 ; 47,2.95 47,3.65 ; 47,2.95 52.4,2.95 ; 47,3.65 52.4,3.65 ; 47,3.65 52.4,3.65 ; 47,46.35 47,47.05 ; 47,46.35 52.4,46.35 ; 47,46.35 52.4,46.35 ; 47,46.35 47,47.05 ; 47,47.05 52.4,47.05 ; 47,47.05 52.4,47.05 ; 52.4,2.95 52.4,3.65 ; 52.4,2.95 52.4,3.65 ; 52.4,46.35 52.4,47.05 ; 52.4,46.35 52.4,47.05 ; 53.7,2.45 53.7,6.45 ; 53.7,2.45 53.7,6.45 ; 53.7,43.55 53.7,47.55 ; 53.7,43.55 53.7,47.55 ; 58.25,0 58.25,1.15 ; 58.25,0 58.25,1.15 ; 58.25,1.15 63.25,1.15 ; 58.25,1.15 63.25,1.15 ; 58.25,48.85 58.25,50 ; 58.25,48.85 63.25,48.85 ; 58.25,48.85 58.25,50 ; 58.25,48.85 63.25,48.85 ; 63.25,0 63.25,1.15 ; 63.25,0 68,0 ; 63.25,0 63.25,1.15 ; 63.25,0 68,0 ; 63.25,48.85 63.25,50 ; 63.25,48.85 63.25,50 ; 63.25,50 68,50 ; 63.25,50 68,50 ; 64.5,13.1 68,13.1 ; 64.5,13.1 64.5,41.26 ; 64.5,13.1 68,13.1 ; 64.5,41.26 68,41.26 ; 64.5,41.26 68,41.26 ; 68,0 68,13.1 ; 68,0 68,13.1 ; 68,41.26 68,50 ; 68,41.26 68,50
  text "1" at 45.745,31.497 h1 r270
  text "10" at 45.745,17.83 h1 r270

## Dimensions
-5.2,0.03 to -5.2,200.03 on Mechanical 16
-5.2,0.03 to 141,0 on Mechanical 16